# KiCad board rili.kicad_pcb
title: Corne Cherry; date: 2018-11-17; rev: 2.1; company: foostan
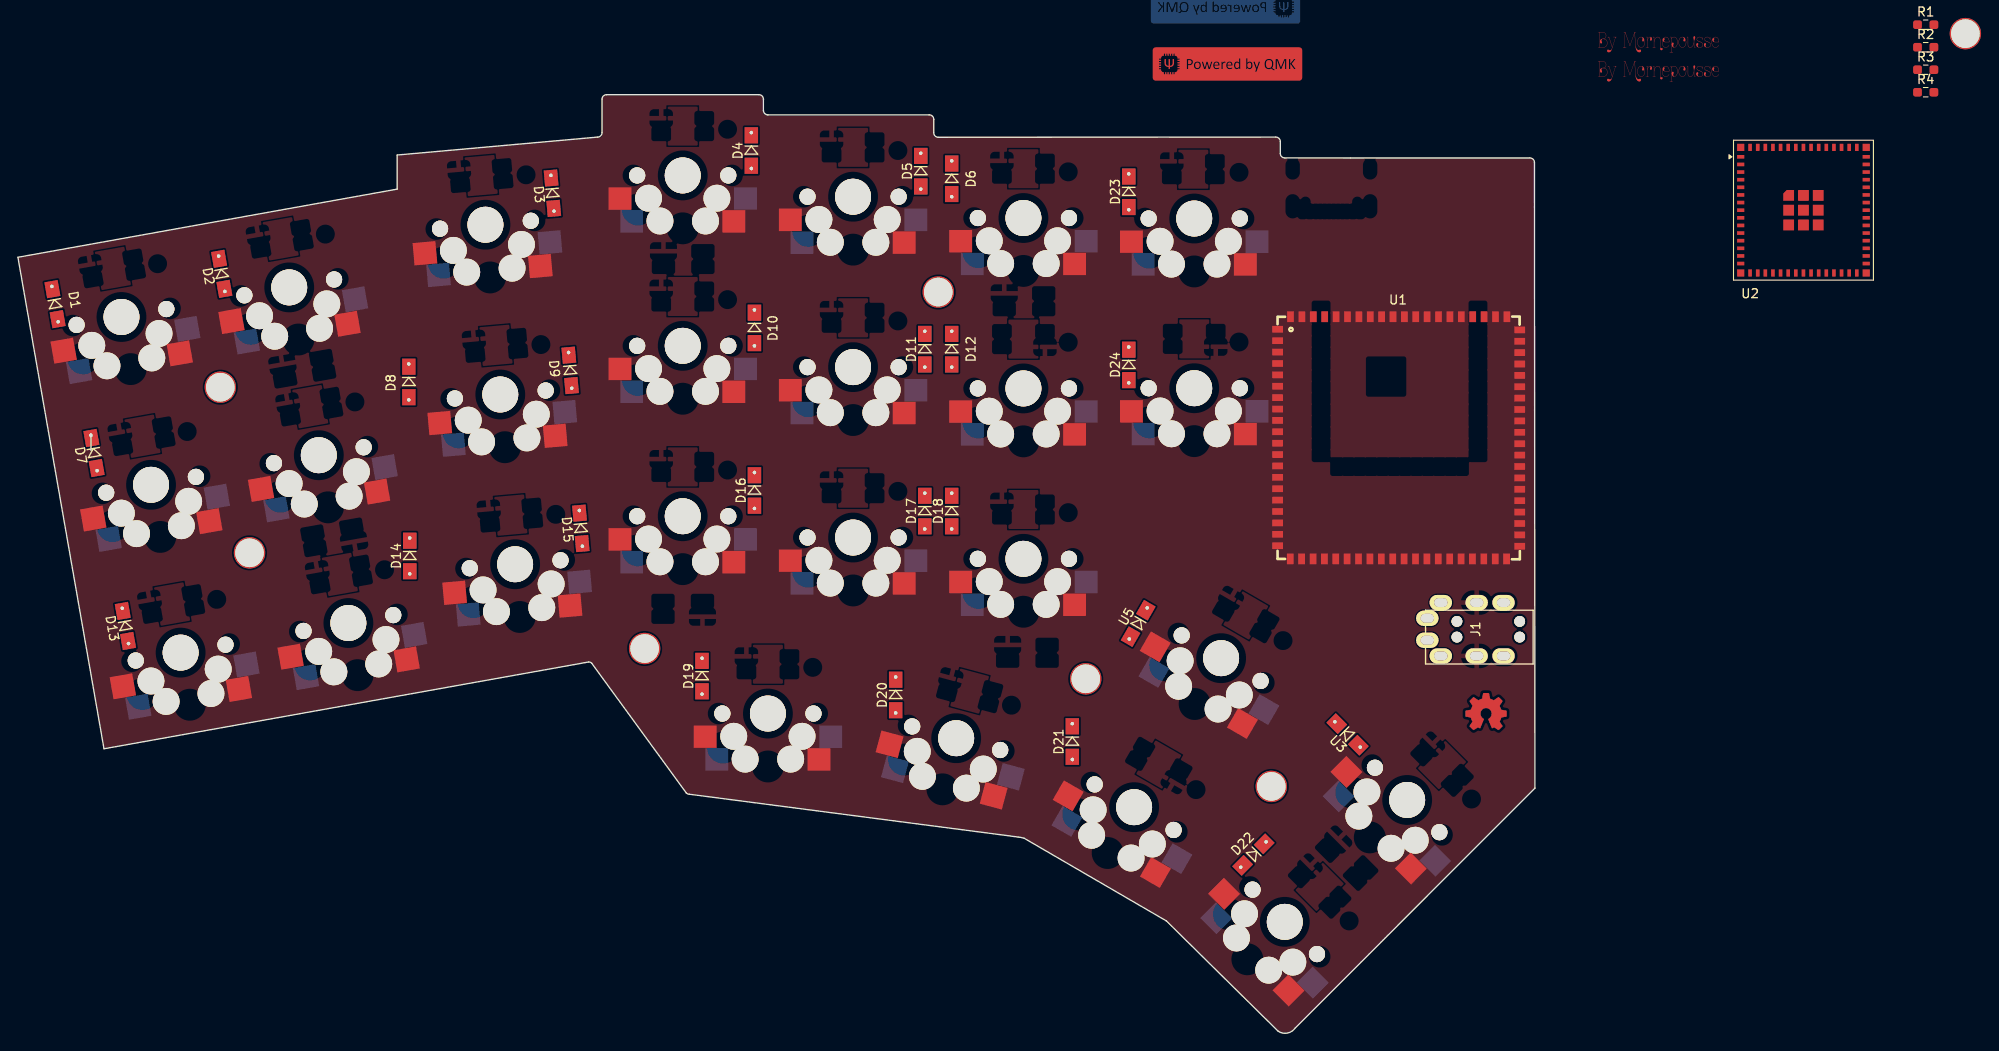
[diagram p0: board, top side]
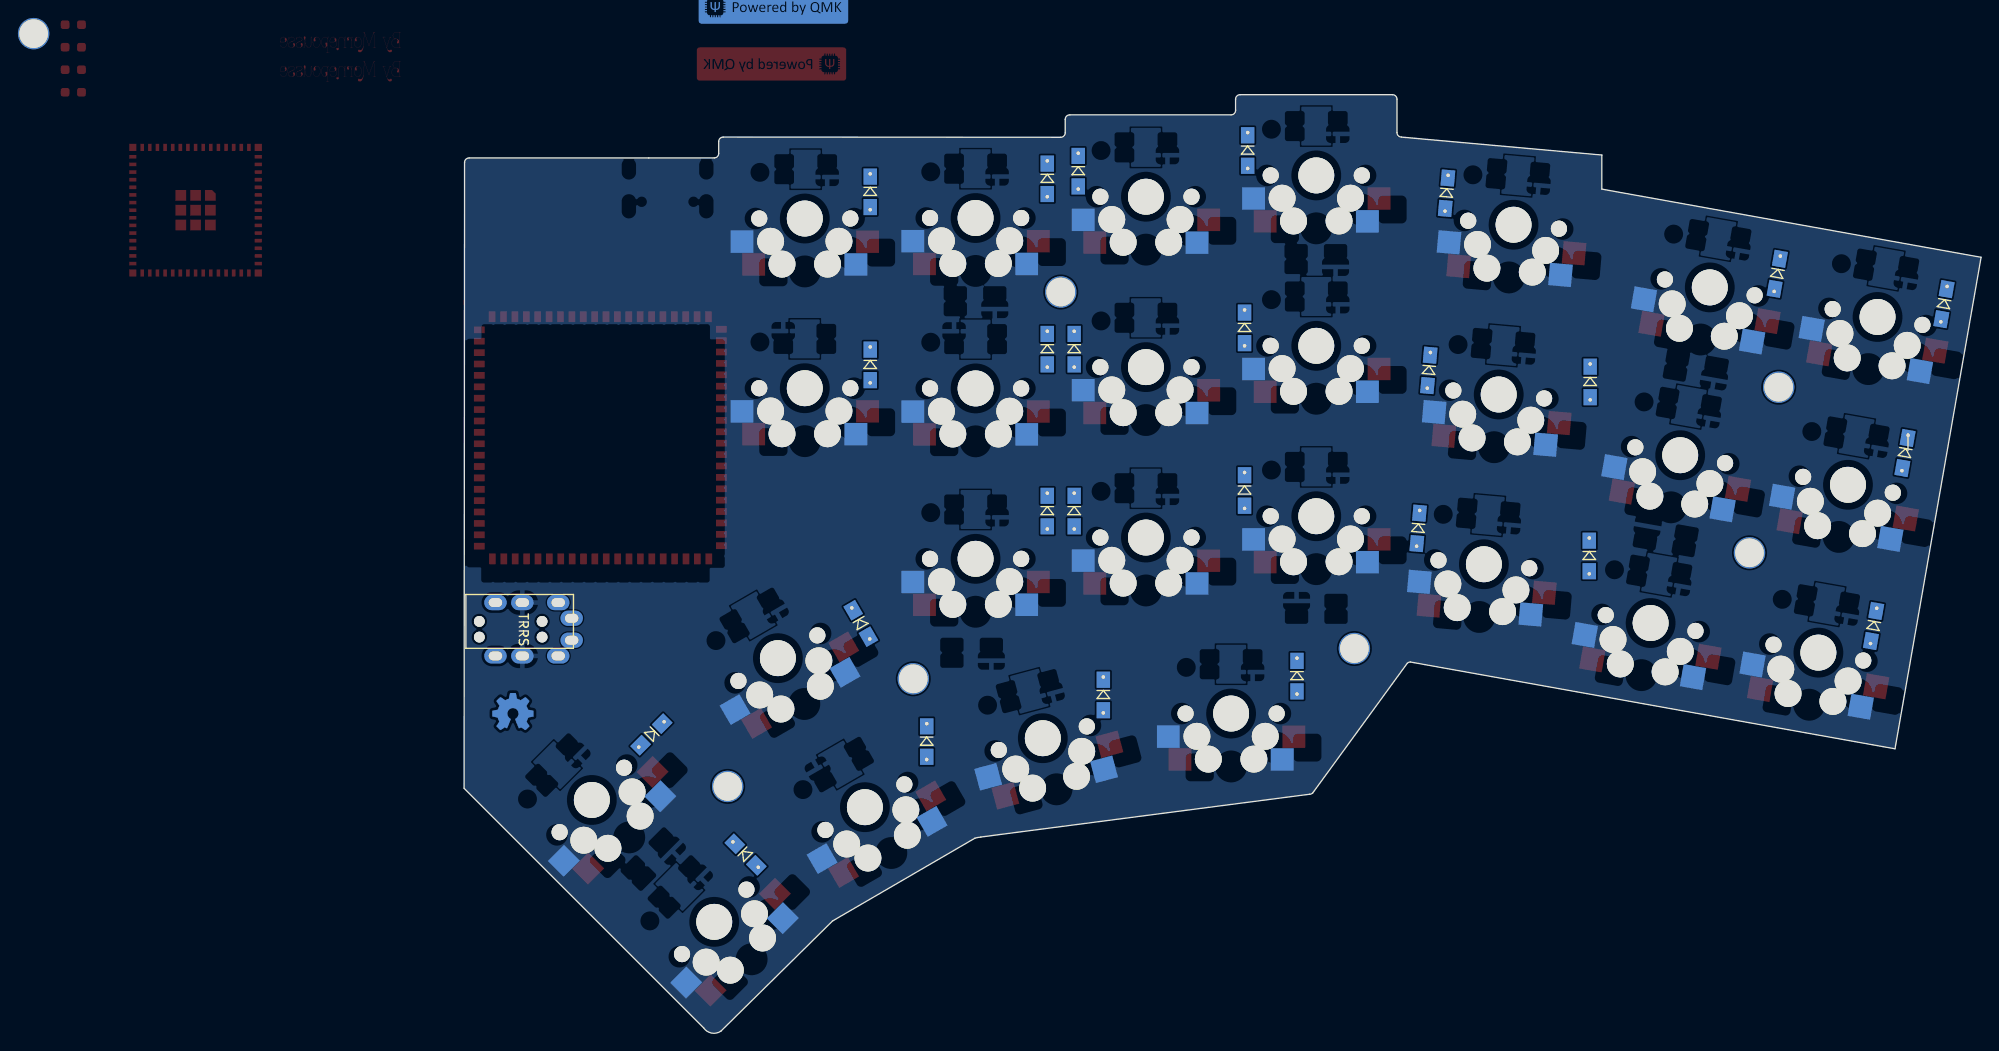
[diagram p1: board, bottom side, seen from below]

Outline 169.2 x 104.63 mm; copper layers: Top, Bottom. Coordinates in mm from the lower left corner of the outline.
Outline path: 8.15,66.88 8.15,64.96 ; 0,86.5 9.6,31.7 63.65,41.38 arc(63.84,41.34) 64,41.23 74.55,26.77 arc(74.71,26.66) 74.9,26.63 111.57,21.86 arc(111.9,21.81) 112.22,21.73 128.1,12.5 140.56,0.21 arc(141.6,0) 142.49,0.59 169.2,27.3 169.15,97.07 arc(169,97.43) 168.65,97.57 148.61,97.57 141.3,97.58 arc(140.95,97.72) 140.8,98.08 140.8,99.4 arc(140.65,99.75) 140.3,99.9 102.65,99.88 arc(102.3,100.02) 102.15,100.38 102.15,101.88 arc(102,102.23) 101.65,102.38 83.65,102.38 arc(83.3,102.52) 83.15,102.88 83.15,104.13 arc(83,104.48) 82.65,104.63 65.65,104.63 arc(65.3,104.48) 65.15,104.13 65.15,100.4 arc(65,100.05) 64.65,99.9 42.3,97.9 42.3,94.1 0,86.5
Stack: Top 0.035mm / dielectric 1.51mm FR4 er 4.5 / Bottom 0.035mm

## Placement (name value [footprint] x y rotation side)
D1  D  [Diode_TH_SOD123EKR]  4.14 81.28 280 top
D2  D  [Diode_TH_SOD123EKR]  22.73 84.66 280 top
D3  D  [Diode_TH_SOD123EKR]  59.62 93.64 275 top
D4  D  [Diode_TH_SOD123EKR]  81.8 98.4 270 top
D5  D  [Diode_TH_SOD123EKR]  100.7 96.1 270 top
D6  D  [Diode_TH_SOD123EKR]  104.15 95.25 270 top
D7  D  [Diode_TH_SOD123EKR]  8.48 64.68 280 top
D8  D  [Diode_TH_SOD123EKR]  43.6 72.6 270 top
D9  D  [Diode_TH_SOD123EKR]  61.6 73.89 275 top
D10  D  [Diode_TH_SOD123EKR]  82.15 78.63 270 top
D11  D  [Diode_TH_SOD123EKR]  101.15 76.25 270 top
D12  D  [Diode_TH_SOD123EKR]  104.15 76.25 270 top
D13  D  [Diode_TH_SOD123EKR]  11.99 45.39 280 top
D14  D  [Diode_TH_SOD123EKR]  43.7 53.2 270 top
D15  D  [Diode_TH_SOD123EKR]  62.79 56.28 275 top
D16  D  [Diode_TH_SOD123EKR]  82.15 60.5 270 top
D17  D  [Diode_TH_SOD123EKR]  101.15 58.2 270 top
D18  D  [Diode_TH_SOD123EKR]  104.15 58.2 270 top
D19  D  [Diode_TH_SOD123EKR]  76.3 39.8 270 top
D20  D  [Diode_TH_SOD123EKR]  97.9 37.7 270 top
D21  D  [Diode_TH_SOD123EKR]  117.6 32.5 270 top
D22  D  [Diode_TH_SOD123EKR]  137.8 19.9 225 top
D23  D  [Diode_TH_SOD123EKR]  123.9 93.8 270 top
D24  D  [Diode_TH_SOD123EKR]  123.9 74.5 270 top
G1  Logo_Open_Hardware_Small  [RougeGorge]  157.77 146.01 90 top
G2  Logo_Open_Hardware_Small  [RougeGorge]  160.13 133.89 270 top
G3  Logo_Open_Hardware_Small  [OSHW-Logo2_7.3x6mm_Copper]  163.75 35.15 0 top
G4  Logo_Open_Hardware_Small  [OSHW-Logo2_7.3x6mm_Copper]  163.75 35.15 180 bottom
G5  Logo_Open_Hardware_Small  [morne robin logo cuivre]  131.1 136.7 0 top
G6  Logo_Open_Hardware_Small  [morne robin logo cuivre]  130.9 136.8 180 bottom
G7  Logo_Open_Hardware_Small  [ByMornepousse]  183.74 110.52 0 top
G8  Logo_Open_Hardware_Small  [ByMornepousse]  183.74 107.27 0 top
G9  Logo_Open_Hardware_Small  [qmklogotxt]  136 108.2 0 top
G10  Logo_Open_Hardware_Small  [qmklogotxt]  133.6 114.55 180 bottom
H1  MountingHole  [HOLE_M3-3.2-3.5]  22.57 72.01 10 top
H2  MountingHole  [HOLE_M3-3.2-3.5]  25.83 53.55 10 top
H5  MountingHole  [HOLE_M3-3.2-3.5]  69.9 42.88 0 top
H6  MountingHole  [HOLE_M3-3.2-3.5]  102.65 82.63 0 top
H7  MountingHole  [HOLE_M3-3.2-3.5]  119.1 39.5 0 top
H8  MountingHole  [HOLE_M3-3.2-3.5]  139.8 27.5 0 top
H9  MountingHole  [HOLE_M3-3.2-3.5]  217.21 111.44 0 top
J1  -  [MJ-4PP-9]  169 44.15 270 top
R1  100R  [R_0603_1608Metric_Pad0.98x0.95mm_HandSolder]  212.79 112.43 0 top
R2  100R  [R_0603_1608Metric_Pad0.98x0.95mm_HandSolder]  212.79 109.92 0 top
R3  100R  [R_0603_1608Metric_Pad0.98x0.95mm_HandSolder]  212.79 107.41 0 top
R4  100R  [R_0603_1608Metric_Pad0.98x0.95mm_HandSolder]  212.79 104.9 0 top
SW1  SW_PUSH  [MX_Socket_18mm]  11.55 79.84 190 top
SW2  SW_PUSH  [MX_Socket_18mm]  30.26 83.14 190 top
SW3  SW_PUSH  [MX_Socket_18mm]  52.14 90.13 185 top
SW4  SW_PUSH  [MX_Socket_18mm]  74.15 95.63 180 top
SW5  SW_PUSH  [MX_Socket_18mm]  93.15 93.25 180 top
SW6  SW_PUSH  [MX_Socket_18mm]  112.15 90.88 180 top
SW7  SW_PUSH  [MX_Socket_18mm]  14.85 61.13 190 top
SW8  SW_PUSH  [MX_Socket_18mm]  33.56 64.43 190 top
SW9  SW_PUSH  [MX_Socket_18mm]  53.8 71.2 185 top
SW10  SW_PUSH  [MX_Socket_18mm]  74.15 76.63 180 top
SW11  SW_PUSH  [MX_Socket_18mm]  93.15 74.25 180 top
SW12  SW_PUSH  [MX_Socket_18mm]  112.15 71.88 180 top
SW13  SW_PUSH  [MX_Socket_18mm]  18.15 42.42 190 top
SW14  SW_PUSH  [MX_Socket_18mm]  36.86 45.72 190 top
SW15  SW_PUSH  [MX_Socket_18mm]  55.46 52.27 185 top
SW16  SW_PUSH  [MX_Socket_18mm]  74.15 57.63 180 top
SW17  SW_PUSH  [MX_Socket_18mm]  93.15 55.25 180 top
SW18  SW_PUSH  [MX_Socket_18mm]  112.15 52.88 180 top
SW19  SW_PUSH  [MX_Socket_18mm]  83.65 35.63 180 top
SW20  SW_PUSH  [MX_Socket_18mm]  104.65 32.88 165 top
SW21  SW_PUSH  [MX_Socket_18mm]  124.5 25.18 150 top
SW22  SW_PUSH  [MX_Socket_18mm]  141.3 12.4 135 top
SW23  SW_PUSH  [MX_Socket_18mm]  154.95 25.99 135 top
SW24  SW_PUSH  [MX_Socket_18mm]  134.2 41.8 150 top
SW25  SW_PUSH  [MX_Socket_18mm]  131.2 90.82 180 top
SW26  SW_PUSH  [MX_Socket_18mm]  131.2 71.9 180 top
U1  ESP32P4_QFN104  [JC-ESP32P4-M3_V0.2]  139.5 51.87 0 top  (not fitted)
U2  ESP32-S3-MINI-1U  [ESP32-S2-MINI-1U]  199.15 91.75 0 top
U3  D  [Diode_TH_SOD123EKR]  148.3 33.3 315 top
U5  D  [Diode_TH_SOD123EKR]  124.95 45.67 240 top

## Library data of the parts
D1-D24 U3 U5 = -: ki_fp_filters: TO-???* *_Diode_* *SingleDiode* D_*
H1 H2 H5-H9 = -: ki_fp_filters: MountingHole*
R1-R4 = -: Description: Resistor; KiLib_Generator: SMD_2terminal_chip_molded; ki_fp_filters: R_*
U1 = -: ki_fp_filters: *JC-ESP32P4-M3_V0.2*
U2 = -: Datasheet: https://www.espressif.com/sites/default/files/documentation/esp32-s3-mini-1_mini-1u_datasheet_en.pdf; Description: RF Module, ESP32-S3 SoC, Wi-Fi 802.11b/g/n, Bluetooth, BLE, 32-bit, 3.3V, SMD, external antenna; ki_fp_filters: ESP32?S*MINI?1U

## Footprints (pads in the part's own frame, mm; a bottom-side part is the same pattern mirrored in y, then rotated)
Diode_TH_SOD123EKR
  rect 1x1 hole 0.4: 1(-2,0) 2(2,0)
  rect 1.8x1.5 smd: 1(-1.7,0) 2(1.7,0)
  rect 1.8x1.5 smd far side: 1(-1.7,0) 2(1.7,0)
ESP32-S2-MINI-1U
  rect 0.8x0.4 smd: 1(-7,5.95) 2(-7,5.1) 3(-7,4.25) 4(-7,3.4) 5(-7,2.55) 6(-7,1.7) 7(-7,0.85) 8(-7,0) 9(-7,-0.85) 10(-7,-1.7) 11(-7,-2.55) 12(-7,-3.4) 13(-7,-4.25) 14(-7,-5.1) 15(-7,-5.95) 31(7,-5.95) 32(7,-5.1) 33(7,-4.25) 34(7,-3.4) 35(7,-2.55) 36(7,-1.7) 37(7,-0.85) 38(7,0) 39(7,0.85) 40(7,1.7) 41(7,2.55) 42(7,3.4) 43(7,4.25) 44(7,5.1) 45(7,5.95)
  rect 0.4x0.8 smd: 16(-5.95,-7) 17(-5.1,-7) 18(-4.25,-7) 19(-3.4,-7) 20(-2.55,-7) 21(-1.7,-7) 22(-0.85,-7) 23(0,-7) 24(0.85,-7) 25(1.7,-7) 26(2.55,-7) 27(3.4,-7) 28(4.25,-7) 29(5.1,-7) 30(5.95,-7) 46(5.95,7) 47(5.1,7) 48(4.25,7) 49(3.4,7) 50(2.55,7) 51(1.7,7) 52(0.85,7) 53(0,7) 54(-0.85,7) 55(-1.7,7) 56(-2.55,7) 57(-3.4,7) 58(-4.25,7) 59(-5.1,7) 60(-5.95,7)
  rrect 1.2x1.2 smd: 61(-1.65,1.65)
  rect 1.2x1.2 smd: 61(-1.65,0) 61(-1.65,-1.65) 61(0,1.65) 61(0,0) 61(0,-1.65) 61(1.65,1.65) 61(1.65,0) 61(1.65,-1.65)
  rect 0.8x0.8 smd: 62(-7,7) 63(-7,-7) 64(7,-7) 65(7,7)
HOLE_M3-3.2-3.5
  round 3.5 hole 3.2 unplated: (0,0)
JC-ESP32P4-M3_V0.2
  rect 1.2x0.75 smd: 1(1,26.6) 2(1,25.33) 3(1,24.06) 4(1,22.79) 5(1,21.52) 6(1,20.25) 7(1,18.98) 8(1,17.71) 9(1,16.44) 10(1,15.17) 11(1,13.9) 12(1,12.63) 13(1,11.36) 14(1,10.09) 15(1,8.82) 16(1,7.55) 17(1,6.28) 18(1,5.01) 19(1,3.74) 20(1,2.47) 41(28,2.41) 42(28,3.68) 43(28,4.95) 44(28,6.22) 45(28,7.49) 46(28,8.76) 47(28,10.03) 48(28,11.3) 49(28,12.57) 50(28,13.84) 51(28,15.11) 52(28,16.38) 53(28,17.65) 54(28,18.92) 55(28,20.19) 56(28,21.46) 57(28,22.73) 58(28,24) 59(28,25.27) 60(28,26.54)
  rect 0.75x1.2 smd: 21(2.41,1) 22(3.68,1) 23(4.95,1) 24(6.22,1) 25(7.49,1) 26(8.76,1) 27(10.03,1) 28(11.3,1) 29(12.57,1) 30(13.84,1) 31(15.11,1) 32(16.38,1) 33(17.65,1) 34(18.92,1) 35(20.19,1) 36(21.46,1) 37(22.73,1) 38(24,1) 39(25.27,1) 40(26.54,1) 61(26.57,28) 62(25.3,28) 63(24.03,28) 64(22.76,28) 65(21.49,28) 66(20.22,28) 67(18.95,28) 68(17.68,28) 69(16.41,28) 70(15.14,28) 71(13.87,28) 72(12.6,28) 73(11.33,28) 74(10.06,28) 75(8.79,28) 76(7.52,28) 77(6.25,28) 78(4.98,28) 79(3.71,28) 80(2.44,28)
MJ-4PP-9
  round 1.2 hole 1.2 unplated: (-1.75,-1.5) (-1.75,-8.5) (0,-1.5) (0,-8.5)
  oval 1.7x2.5 hole 1x1.5: A(-2.1,-11.8) A(0.35,-11.8) B(-3.85,-3.3) B(2.1,-3.3) C(-3.85,-6.3) C(2.1,-6.3) D(-3.85,-10.3) D(2.1,-10.3)
MX_Socket_18mm
  round 1.8 hole 1.8 unplated: (-5.08,0) (5.08,0)
  round 3 hole 3 unplated: (-3.81,2.54) (-2.54,5.08) (2.54,5.08) (3.81,2.54)
  round 4 hole 4 unplated: (0,0)
  rect 2.55x2.5 smd far side: 1(-7,2.58) 2(5.7,5.12)
  rect 2.55x2.5 smd: 1(7,2.58) 2(-5.7,5.12)
R_0603_1608Metric_Pad0.98x0.95mm_HandSolder
  rrect 0.975x0.95 smd: 1(-0.912,0) 2(0.912,0)

## Nets
GND: J1.C U1.1 U1.7 U1.25 U1.32 U1.41 U1.44 U1.79 U1.80
VCC: J1.D
col0: SW1.1 SW7.1 SW13.1 SW22.1
col1: SW2.1 SW8.1 SW14.1 SW23.1
col2: SW3.1 SW9.1 SW15.1 SW24.1
col3: SW4.1 SW10.1 SW16.1 SW19.1
col4: SW5.1 SW11.1 SW17.1 SW20.1
col5: SW6.1 SW12.1 SW18.1 SW21.1
col6: SW25.1 SW26.1
data: J1.B
row0: R4.1
row1: R3.1
row2: R2.1
row3: R1.1
Net-(D1-A): D1.2 SW1.2
Net-(D1-K): D1.1 D2.1 D3.1 D4.1 D5.1 D6.1 D23.1 R4.2
Net-(D2-A): D2.2 SW2.2
Net-(D3-A): D3.2 SW3.2
Net-(D4-A): D4.2 SW4.2
Net-(D5-A): D5.2 SW5.2
Net-(D6-A): D6.2 SW6.2
Net-(D7-A): D7.2 SW7.2
Net-(D8-A): D8.2 SW8.2
Net-(D9-A): D9.2 SW9.2
Net-(D10-A): D10.2 SW10.2
Net-(D10-K): D7.1 D8.1 D9.1 D10.1 D11.1 D12.1 D24.1 R3.2
Net-(D11-A): D11.2 SW11.2
Net-(D12-A): D12.2 SW12.2
Net-(D13-A): D13.2 SW13.2
Net-(D13-K): D13.1 D14.1 D15.1 D16.1 D17.1 D18.1 R2.2
Net-(D14-A): D14.2 SW14.2
Net-(D15-A): D15.2 SW15.2
Net-(D16-A): D16.2 SW16.2
Net-(D17-A): D17.2 SW17.2
Net-(D18-A): D18.2 SW18.2
Net-(D19-A): D19.2 SW19.2
Net-(D19-K): D19.1 D20.1 D21.1 D22.1 R1.2 U3.1 U5.1
Net-(D20-A): D20.2 SW20.2
Net-(D21-A): D21.2 SW21.2
Net-(D22-A): D22.2 SW22.2
Net-(D23-A): D23.2 SW25.2
Net-(D24-A): D24.2 SW26.2
Net-(P1-Pin_1): J1.A
Net-(U2-GND-Pad1): U2.1 U2.2 U2.42 U2.43 U2.46 U2.47 U2.48 U2.49 U2.50 U2.51 U2.52 U2.53 U2.54 U2.55 U2.56 U2.57 U2.58 U2.59 U2.60 U2.61 U2.62 U2.63 U2.64 U2.65
Net-(U3-A): SW23.2 U3.2
Net-(U5-A): SW24.2 U5.2

Pads without a net: U1 2 3 4 5 6 8 9 10 11 12 13 14 15 16 17 18 19 20 21 22 23 24 26 27 28 29 30 31 33 34 35 36 37 38 39 40 42 43 45 46 47 48 49 50 51 52 53 54 55 56 57 58 59 60 61 62 63 64 65 66 67 68 69 70 71 72 73 74 75 76 77 78; U2 3 4 5 6 7 8 9 10 11 12 13 14 15 16 17 18 19 20 21 22 23 24 25 26 27 28 29 30 31 32 33 34 35 36 37 38 39 40 41 44 45

## Copper pours and planes (outline as drawn; the poured copper is in the pictures)
GND on Top, Bottom: 140.8,97.6 140.8,99.9 121.15,99.93 102.15,99.93 102.15,102.43 83.15,102.43 83.15,104.73 65.15,104.73 65.1,99.9 42.3,97.9 42.3,94.1 0,86.5 6.1,51.9 6.4,49.8 6.6,48.9 6.9,47.2 9.6,31.7 63.75,41.43 74.5,26.5 111.56,21.85 141.24,-0.66 169.2,27.3 169.2,97.75
